# Altium PCB XMS0004.PcbDoc (part 1 of 5) (continued)
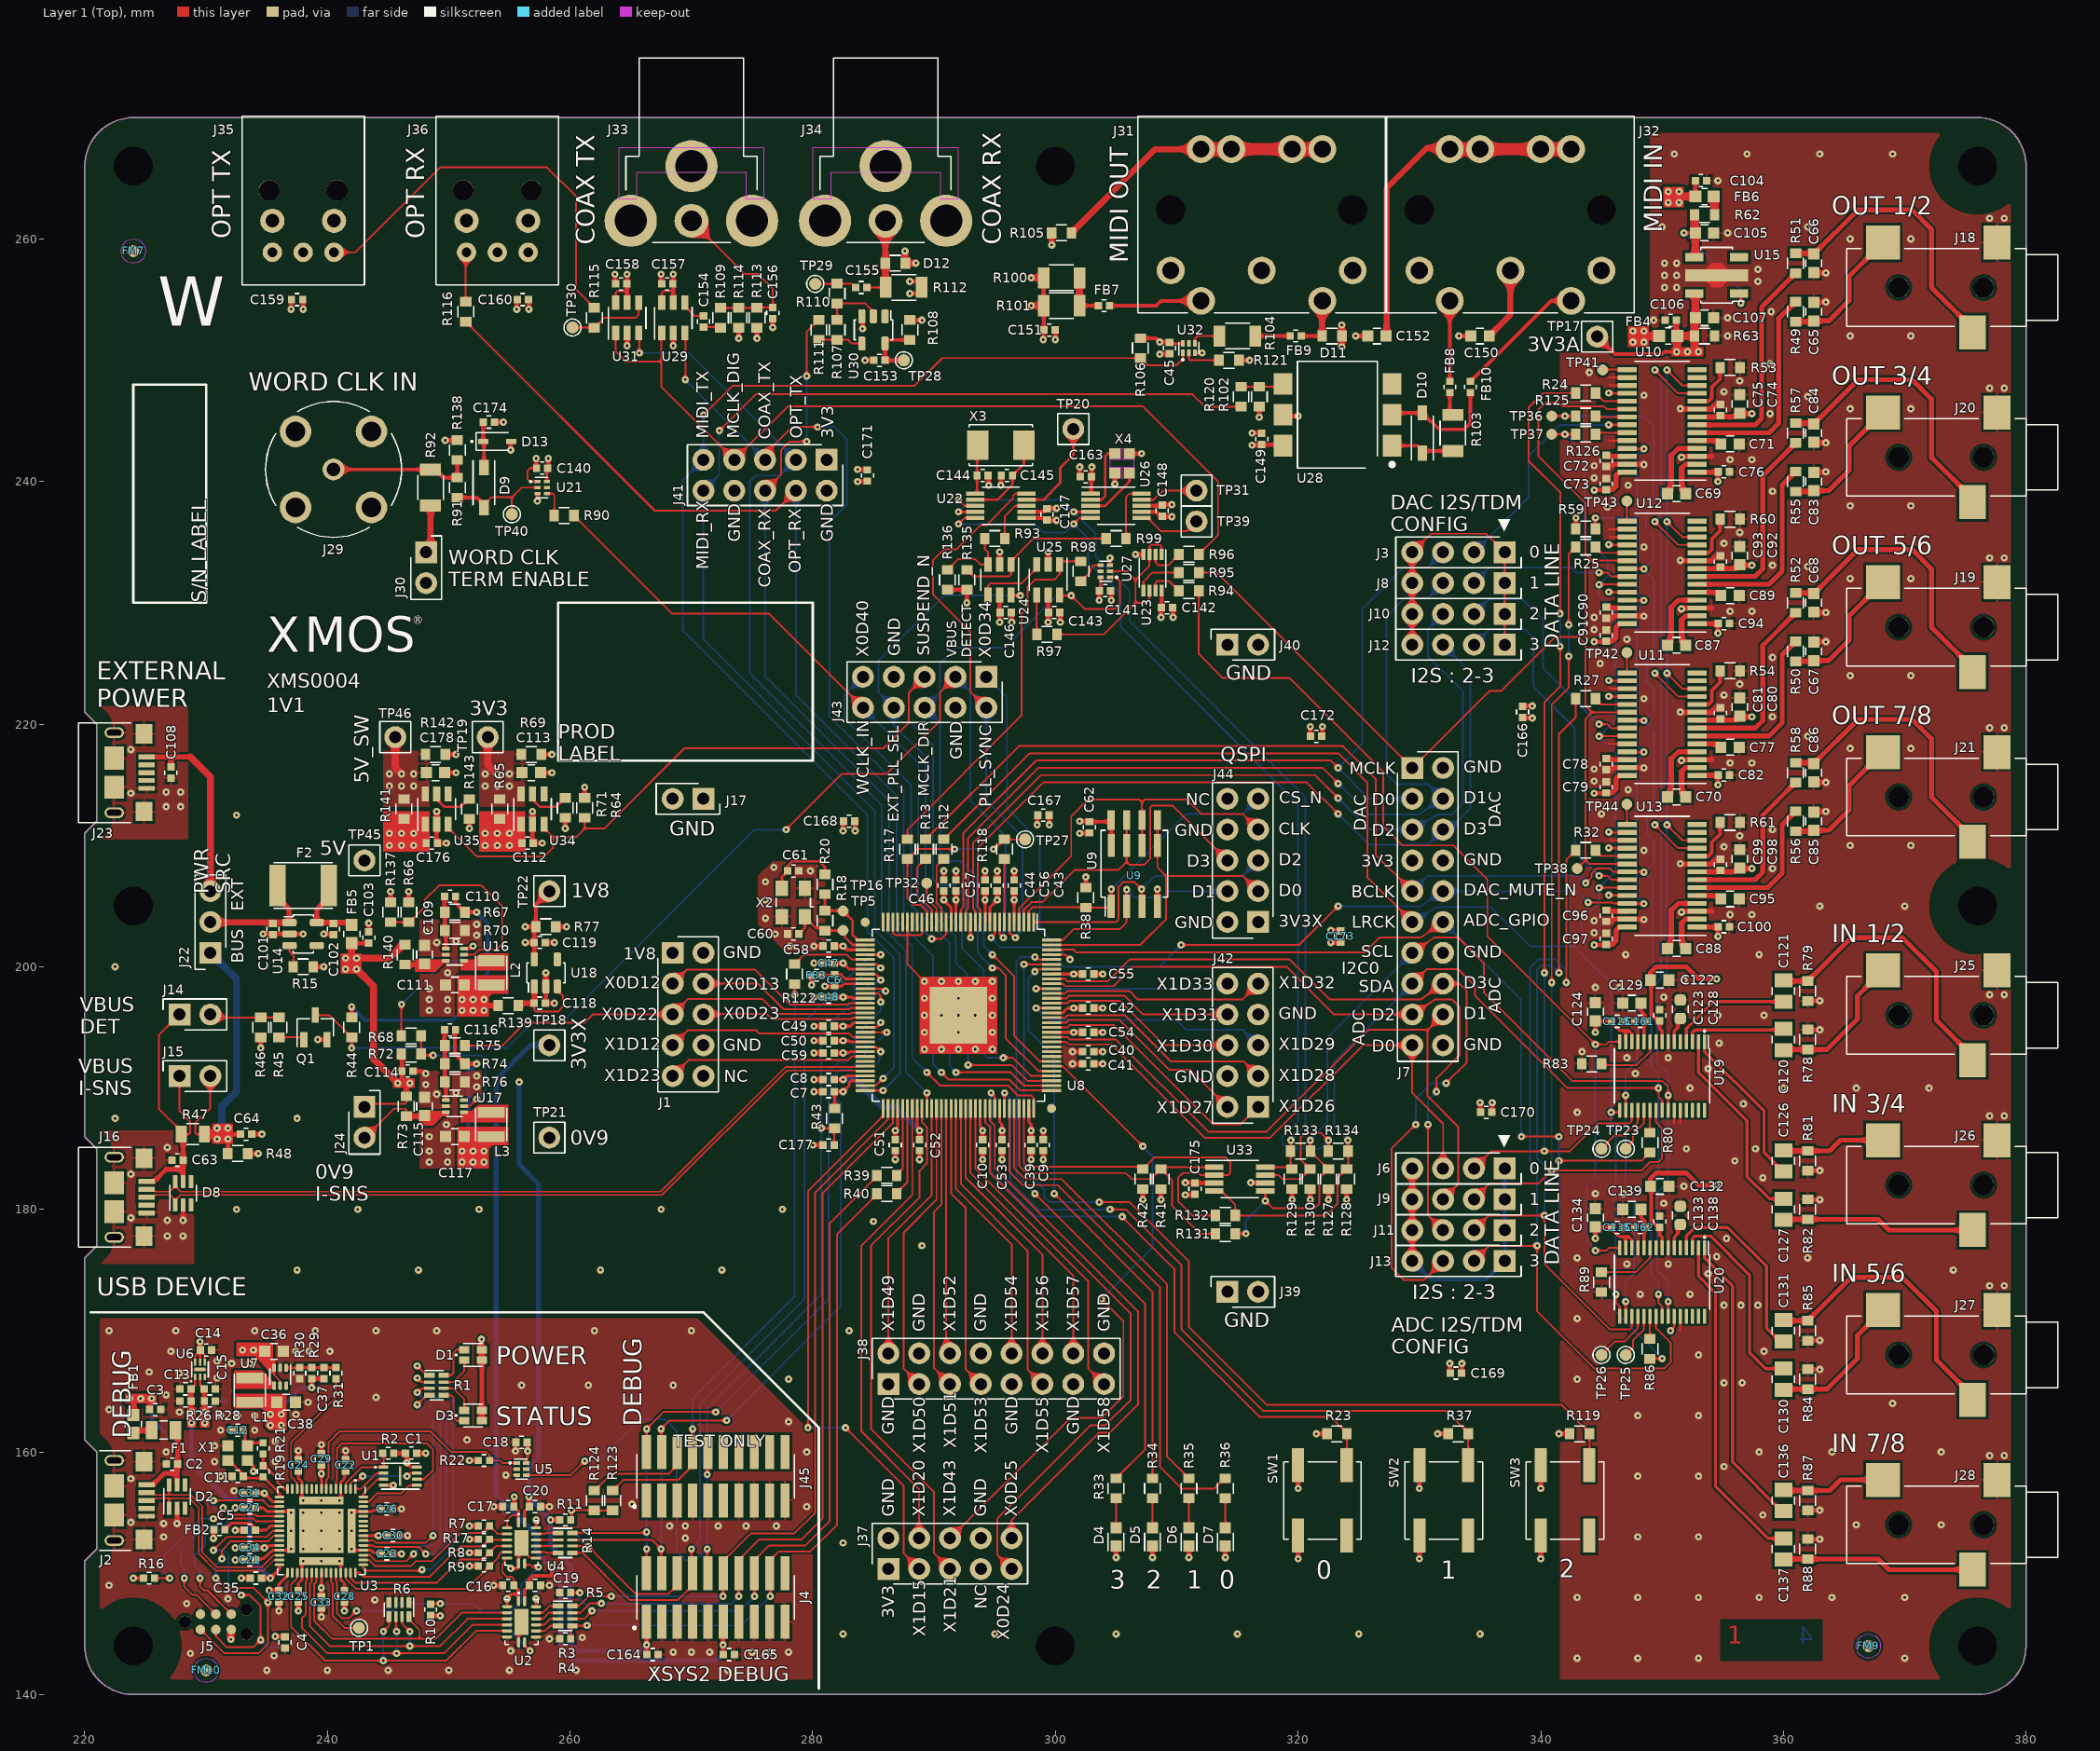
[diagram p0: Layer 1 (Top) view]
## Components (designator, comment, footprint, x,y, rotation, side; value= is the part's Value field where it differs from the comment) (continued)
R10 "4K7" RESC1005X40N 248.5,147 r270 top
R11 "10K" RESC1005X40N 259.6,154.4 r180 top
R12 "33R" RESC1608X55N 290.8,209.7 r90 top
R13 "33R" RESC1608X55N 289.3,209.7 r90 top
R14 "36R" RESCAXS50P200X100X55-8N 259.6,152.5 r270 top
R15 "10K" RESC1608X55N 238,200 r180 top
R16 "10K" RESC1005X40N 225.3,149.6 r180 top
R17 "10K" RESC1005X40N 252.9,152.8 r0 top
R18 "1M" RESC1608X55N 281,203.8 r90 top
R19 "1M" RESC1005X40N 234.7,158.4 r90 top
R20 "680R" RESC1608X55N 281,206.8 r270 top
R21 "680R" RESC1005X40N 234.7,160.3 r270 top
R22 "4K7" RESC1005X40N 252.9,159.3 r180 top
R23 "10K" RESC1608X55N 323.2,161.5 r180 top
R24 "33R" RESC1608X55N 343.7,247.3 r180 top
R25 "33R" RESC1608X55N 343.7,234.6 r180 top
R26 "47K" RESC1005X40N 228.3,164.2 r0 top
R27 "33R" RESC1608X55N 343.7,222.1 r180 top
R28 "47K" RESC1005X40N 230.3,164.2 r180 top
R29 "10K" RESC1005X40N 238.7,166.5 r270 top
R30 "20K" RESC1005X40N 237.7,166.5 r90 top
R31 "150K" RESC1005X40N 240.7,166.5 r90 top
R32 "33R" RESC1608X55N 343.7,209.6 r180 top
R33 "470R" RESC1608X55N 305,157 r90 top
R34 "470R" RESC1608X55N 308,157 r90 top
R35 "470R" RESC1608X55N 311,157 r90 top
R36 "470R" RESC1608X55N 314,157 r90 top
R37 "10K" RESC1608X55N 333.2,161.5 r180 top
R38 "10K" RESC1608X55N 302.5,205.7 r90 top
R39 "33R" RESC1608X55N 286.1,182.8 r180 top
R40 "33R" RESC1608X55N 286.1,181.3 r180 top
R41 "4K7" RESC1608X55N 308.7,182.5 r270 top
R42 "4K7" RESC1608X55N 307.2,182.5 r270 top
R43 "10K" RESC1608X55N 281.8,187.5 r90 top
R44 "47K" RESC1608X55N 242,195 r90 top
R45 "100K" RESC1608X55N 236,195 r270 top
R46 "100K" RESC1608X55N 234.5,195 r90 top
R47 "0R1" RESC2012X60N 228.9,186.2 r0 top
R48 "470K" RESC1608X55N 232.6,184.6 r180 top
R49 "470R" RESC1608X55N 361,254 r270 top
R50 "470R" RESC1608X55N 361,226 r270 top
R51 "470R" RESC1608X55N 361,258 r90 top
R52 "470R" RESC1608X55N 361,230 r90 top
R53 "0R" RESC1608X55N 355.6,249.4 r180 top
R54 "0R" RESC1608X55N 355.6,224.4 r180 top
R55 "470R" RESC1608X55N 361,240 r270 top
R56 "470R" RESC1608X55N 361,212 r270 top
R57 "470R" RESC1608X55N 361,244 r90 top
R58 "470R" RESC1608X55N 361,216 r90 top
R59 "10K" RESC1608X55N 343.7,236.1 r180 top
R60 "0R" RESC1608X55N 355.6,236.9 r180 top
R61 "0R" RESC1608X55N 355.6,211.9 r180 top
R62 "0R5" RESC1608X55N 353.5,262 r180 top
R63 "4K7" RESC1608X55N 353.5,252 r180 top
R64 "100K" RESC1608X55N 261.2,213.1 r270 top
R65 "0R" RESC1608X55N 254.2,213 r90 top
R66 "20K" RESC1608X55N 246.7,204.5 r90 top
R67 "68K" RESC1608X55N 250.5,204.5 r0 top
R68 "0R" RESC1608X55N 246.9,194.3 r180 top
R69 "10K" RESC1608X55N 256.8,217.5 r180 top
R70 "15K" RESC1608X55N 250.5,203 r180 top
R71 "68K" RESC1608X55N 259.6,213.1 r90 top
R72 "10K" RESC1608X55N 246.9,192.8 r180 top
R73 "0R1" RESC1608X55N 246.5,188.5 r270 top
R74 "10K" RESC1608X55N 250.5,192 r0 top
R75 "240K" RESC1608X55N 250.5,193.5 r180 top
R76 "20K" RESC1608X55N 250.5,190.5 r180 top
R77 "220K" RESC1608X55N 258,203.3 r180 top
R78 "47K" RESC1608X55N 362,194 r270 top
R79 "47K" RESC1608X55N 362,198 r90 top
R80 "33R" RESC1608X55N 349,185.5 r90 top
R81 "47K" RESC1608X55N 362,184 r90 top
R82 "47K" RESC1608X55N 362,180 r270 top
R83 "0R" RESC1608X55N 344.2,192 r180 top
R84 "47K" RESC1608X55N 362,166 r270 top
R85 "47K" RESC1608X55N 362,170 r90 top
R86 "33R" RESC1608X55N 349,168.5 r90 top
R87 "47K" RESC1608X55N 362,156 r90 top
R88 "47K" RESC1608X55N 362,152 r270 top
R89 "0R" RESC1608X55N 345,174 r270 top
R90 "33R" RESC1608X55N 259.5,237.2 r0 top
R91 "1K" RESC1608X55N 250.7,239.5 r270 top
R92 "75R" RESC3116X65N 248.5,239.5 r90 top
R93 "33R" RESC1608X55N 295,235.3 r180 top
R94 "33R" RESC1608X55N 311,231 r0 top
R95 "33R" RESC1608X55N 311,232.5 r0 top
R96 "33R" RESC1608X55N 311,234 r0 top
R97 "33R" RESC1608X55N 299.3,227.4 r0 top
R98 "33R" RESC1608X55N 302.1,232.6 r90 top
R99 "33R" RESC1608X55N 305,235.3 r180 top
R100 "68R" RESC3116X65N 300.5,256.8 r180 top
R101 "68R" RESC3116X65N 300.5,254.5 r180 top
R102 "470R" RESC1608X55N 316.8,247 r270 top
R103 "220R" RESC3116X65N 332.75,244 r270 top
R104 "10R" RESC3116X65N 315,252 r0 top
R105 "0R" RESC1608X55N 300.5,260.5 r0 top
R106 "10K" RESC1608X55N 307,251 r90 top
R107 "100K" RESC1608X55N 282,252.5 r270 top
R108 "68R" RESC1608X55N 288,252.5 r270 top
R109 "220R" RESC1608X55N 272.4,253.5 r90 top
R110 "220R" RESC1608X55N 282,255.5 r270 top
R111 "100R" RESC1608X55N 280.5,252.5 r90 top
R112 "75R" RESC3116X65N 287.5,256 r180 top
R113 "220R" RESC1608X55N 275.4,253.5 r90 top
R114 "220R" RESC1608X55N 273.9,253.5 r90 top
R115 "33R" RESC1608X55N 262,253.5 r90 top
R116 "0R" RESC1608X55N 251.4,254 r270 top
R117 "33R" RESC1608X55N 287.8,209.7 r90 top
R118 "0R" RESC1608X55N 295.8,209.7 r270 top
R119 "10K" RESC1608X55N 343.2,161.5 r180 top
R120 "0R" RESC1608X55N 315.3,247 r270 top
R121 "10K" RESC1608X55N 314.3,250 r180 top
R122 "33R" RESC1608X55N 278.5,199.4 r90 top
R123 "0R" RESC1608X55N 263.5,156 r270 top
R124 "0R" RESC1608X55N 262,156 r90 top
R125 "33R" RESC1608X55N 343.7,245.4 r0 top
R126 "33R" RESC1608X55N 343.7,243.9 r0 top
R127 "4K7" RESC1608X55N 322.5,182.5 r270 top
R128 "4K7" RESC1608X55N 324,182.5 r270 top
R129 "4K7" RESC1608X55N 319.5,182.5 r270 top
R130 "4K7" RESC1608X55N 321,182.5 r270 top
R131 "0R" RESC1608X55N 314,178 r180 top
R132 "0R" RESC1608X55N 314,179.5 r180 top
R133 "0R" RESC1608X55N 320.2,184.8 r0 top
R134 "0R" RESC1608X55N 323.3,184.8 r0 top
R135 "10K" RESC1608X55N 292.7,231.9 r90 top
R136 "10K" RESC1608X55N 291.1,231.9 r90 top
R137 "220K" RESC1608X55N 245.2,204.5 r270 top
R138 "10K" RESC1608X55N 250.7,242.6 r270 top
R139 "0R" RESC1608X55N 254.9,196.8 r0 top
R140 "0R" RESC1608X55N 246.4,201 r90 top
R141 "0R" RESC1608X55N 246.3,213 r90 top
R142 "10K" RESC1608X55N 248.9,217.5 r180 top
R143 "68K" RESC1608X55N 251.7,213 r90 top
SW1 "KSC421J" SW_CK_KSC4_JBEND 322,156 r270 top
SW2 "KSC421J" SW_CK_KSC4_JBEND 332,156 r270 top
SW3 "KSC421J" SW_CK_KSC4_JBEND 342,156 r270 top
TP1 "TESTPOINT" TESTPOINT_SMD_1MM 242.6,145.5 r90 top
TP2 "TESTPOINT" TESTPOINT_SMD_0.9MM_L 285.4,192.1 r180 bottom
TP3 "TESTPOINT" TESTPOINT_SMD_1.2MM 236.7,148.96 r90 bottom
TP4 "TESTPOINT" TESTPOINT_SMD_1.2MM 236.7,143.88 r90 bottom
TP5 "TESTPOINT" TESTPOINT_SMD_0.9MM_L 282.5,203 r0 top
TP6 "TESTPOINT" TESTPOINT_SMD_1.2MM 229.08,156.58 r90 bottom
TP7 "TESTPOINT" TESTPOINT_SMD_1.2MM 229.08,151.5 r90 bottom
TP8 "TESTPOINT" TESTPOINT_SMD_1.2MM 226.54,151.5 r90 bottom
TP9 "TESTPOINT" TESTPOINT_SMD_1.2MM 229.08,159.12 r90 bottom
TP10 "TESTPOINT" TESTPOINT_SMD_1.2MM 226.54,161.66 r90 bottom
TP11 "TESTPOINT" TESTPOINT_SMD_1.2MM 231.62,164.2 r90 bottom
TP12 "TESTPOINT" TESTPOINT_SMD_1.2MM 234.16,164.2 r90 bottom
TP13 "TESTPOINT" TESTPOINT_SMD_1.2MM 224,161.66 r90 bottom
TP14 "TESTPOINT" TESTPOINT_SMD_1.2MM 251.94,143.88 r90 bottom
TP15 "TESTPOINT" TESTPOINT_SMD_1.2MM 239.24,143.88 r90 bottom
TP16 "TESTPOINT" TESTPOINT_SMD_0.9MM_L 282.5,204.6 r0 top
TP17 "TESTPOINT" TESTPOINT_THRU 344.65,251.95 r270 top
TP18 "TESTPOINT" TESTPOINT_THRU 258.29,193.53 r0 top
TP19 "TESTPOINT" TESTPOINT_THRU 253.21,218.93 r0 top
TP20 "TESTPOINT" TESTPOINT_THRU 301.47,244.33 r0 top
TP21 "TESTPOINT" TESTPOINT_THRU 258.29,185.91 r0 top
TP22 "TESTPOINT" TESTPOINT_THRU 258.29,206.23 r90 top
TP23 "TESTPOINT" TESTPOINT_SMD_1MM 347,185 r0 top
TP24 "TESTPOINT" TESTPOINT_SMD_1MM 345,185 r0 top
TP25 "TESTPOINT" TESTPOINT_SMD_1MM 347,168 r0 top
TP26 "TESTPOINT" TESTPOINT_SMD_1MM 345,168 r0 top
TP27 "TESTPOINT" TESTPOINT_SMD_1MM 297.5,210.5 r0 top
TP28 "TESTPOINT" TESTPOINT_SMD_1MM 287.5,250 r0 top
TP29 "TESTPOINT" TESTPOINT_SMD_1MM 280.2,256.3 r0 top
TP30 "TESTPOINT" TESTPOINT_SMD_1MM 260.2,252.7 r0 top
TP31 "TESTPOINT" TESTPOINT_THRU 311.63,239.25 r0 top
TP32 "TESTPOINT" TESTPOINT_SMD_0.9MM_L 289.4,206.9 r0 top
TP33 "TESTPOINT" TESTPOINT_SMD_0.9MM_L 284.5,198.4 r90 bottom
TP34 "TESTPOINT" TESTPOINT_SMD_0.9MM_L 285.4,194 r0 bottom
TP35 "TESTPOINT" TESTPOINT_SMD_0.9MM_L 284.5,197 r90 bottom
TP36 "TESTPOINT" TESTPOINT_SMD_0.9MM_L 340.9,245.4 r0 top
TP37 "TESTPOINT" TESTPOINT_SMD_0.9MM_L 340.9,243.9 r0 top
TP38 "TESTPOINT" TESTPOINT_SMD_0.9MM_L 343,208.1 r0 top
TP39 "TESTPOINT" TESTPOINT_THRU 311.63,236.71 r0 top
TP40 "TESTPOINT" TESTPOINT_SMD_1MM 255.2,237.3 r0 top
TP41 "TESTPOINT" TESTPOINT_SMD_0.9MM_L 345.1,249.2 r0 top
TP42 "TESTPOINT" TESTPOINT_SMD_0.9MM_L 347.1,225.9 r0 top
TP43 "TESTPOINT" TESTPOINT_SMD_0.9MM_L 347.1,238.4 r0 top
TP44 "TESTPOINT" TESTPOINT_SMD_0.9MM_L 347.1,213.4 r90 top
TP45 "TESTPOINT" TESTPOINT_THRU 243.05,208.77 r0 top
TP46 "TESTPOINT" TESTPOINT_THRU 245.59,218.93 r0 top
U1 "W25Q80EW" SON9P50_200X300X60L45X25T160X20N 246,158 r270 top
U2 "FXL4TD245" IC_NXP_DHVQFN16 256,146 r270 top
U3 "XU316-1024-QF60A-C24" IC_XMOS_PX_QFN60A_NEWPADDLE 239.5,153.5 r180 top
U4 "FXL4TD245" IC_NXP_DHVQFN16 256,152.5 r270 top
U5 "SN74LVC1G125" TI_R_PUSON_N6 256,158.6 r270 top
U6 "TLV7163318P" TI_S_PX2SON_N6 229.5,166.8 r0 top
U7 "AP61102" ICSOFL6P50_160X160X60L30X21N 236.1,166.2 r180 top
U8 "XU316-1024-TQ128-C24" QFP40P1600X1600X120-129_T480N 292,196 r180 top locked
U9 "W25Q32JVSSIQ" SOIC127P790X220-8N 306.5,208.5 r0 top
U9 "W25Q32JVSNIM" SOIC127P600X175-8N 306.5,207.5 r0 top
U10 "PCM5122" SOP65P640X120-28N 350,245 r90 top
U11 "PCM5122" SOP65P640X120-28N 350,220 r90 top
U12 "PCM5122" SOP65P640X120-28N 350,232.5 r90 top
U13 "PCM5122" SOP65P640X120-28N 350,207.5 r90 top
U14 "NCP360" SOT23-5P95_275X110L40X37N 238,202.7 r270 top
U15 "XC6227C331" TOREX_SOT_89_5 354.5,257 r90 top
U16 "AP61102" ICSOFL6P50_160X160X60L30X21N 250.5,201 r270 top
U17 "AP61102" ICSOFL6P50_160X160X60L30X21N 250.5,188.5 r270 top
U18 "TCR2LF18" SOT23-5P95_275X110L40X37N 258,199.5 r0 top
U19 "PCM1865" SOP30P50_780X640X120L62X20N 350,191 r180 top
U20 "PCM1865" SOP30P50_780X640X120L62X20N 350,174 r180 top
U21 "SN74LVC1G125" TI_R_PUSON_N6 257.7,239.5 r270 top
U22 "CS2100-CP" SOP50P490X110-10N 295.5,238 r90 top
U23 "NC7NZ34" SOP50P310X100-8N 308,232.5 r180 top
U24 "74LVC1G157" SOT95P280X145-6N 295.4,231.9 r180 top
U25 "74LVC1G157" SOT95P280X145-6N 299.4,231.9 r180 top
U26 "SI5351A-B-GT" SOP50P490X110-10N 305,238 r270 top
U27 "SN74LVC1G125" TI_R_PUSON_N6 304.1,232.6 r90 top
U28 "H11L1M" IC_ONSEMI_PDIP6_646BY 323.25,245.5 r90 top
U29 "74LVC1G175" SOT95P280X145-6N 268.5,253.5 r0 top
U30 "74LVC1GU04" SOT23-5P95_275X110L40X37N 285,252.5 r180 top
U31 "74LVC1G175" SOT95P280X145-6N 264.7,253.5 r0 top
U32 "SN74LVC1G125" TI_R_PUSON_N6 311,251 r0 top
U33 "PCA9540B" SOP65P490X110-8N 315.2,182.5 r270 top
U34 "AP22653" SOT95P280X145-6N 256.9,213 r0 top
U35 "AP22653" SOT95P280X145-6N 249,213 r0 top
X1 "XRCGB" OSCCC200X160X70N#1 232.6,159.9 r0 top
X2 "FA-238" OSCCC320X250X120N 278.4,205.3 r90 top
X3 "445" XTAL_CTS_445 295.5,243 r0 top
X4 "XRCGB" OSCCC200X160X70N#2 305.5,241.5 r270 top

## Footprints (in the part's own frame and the unit in brackets; to place one, negate y for a bottom-side part, rotate by r counter-clockwise, add the part's x,y. Pads: shape width x height; smd on the part's side, far side on the other; paste and mask are expansions set on the pad)
CAPC1005X55N#1 [mm]
  rect 0.61x0.63 smd: 1(-0.46,0) 2(0.46,0)
  silkscreen extent -0.16,-0.5 0.16,0.5, body extent -0.5,-0.25 0.5,0.25, height 0.55
CAPC1005X55N#2 [mm]
  rrect50% 0.61x0.63 smd: 1(-0.46,0) 2(0.46,0)
  silkscreen extent -0.16,-0.5 0.16,0.5, body extent -0.5,-0.25 0.5,0.25, height 0.55
CAPC1608X90N#1 [mm]
  rect 0.92x0.93 smd: 1(-0.755,0) 2(0.755,0)
  silkscreen extent -0.3,-0.65 0.3,0.65, body extent -0.8,-0.4 0.8,0.4, height 0.9
CAPC1608X90N#2 [mm]
  rrect50% 0.92x0.93 smd: 1(-0.755,0) 2(0.755,0)
  silkscreen extent -0.3,-0.65 0.3,0.65, body extent -0.8,-0.4 0.8,0.4, height 0.9
CAPC2012X145N [mm]
  rect 1.16x1.47 smd: 1(-0.875,0) 2(0.875,0)
  silkscreen extent -0.3,-0.92 0.3,0.92, body extent -1,-0.63 1,0.63, height 1.45
CON_CUI_RCJ_017 [mm]
  round 2.8 hole 1.7: 1(0,0)
  round 4.3 hole 2.65: 2(-5,0) 2(0,-4.5) 2(5,0)
  Layer 1 (Top) keep-out region: -6,-6 6,-6 6,-1.8 4.5,-1.8 4.5,-4 -4.5,-4 -4.5,-1.8 -6,-1.8
  silkscreen extent -5.4,-13.4 5.4,1.8, body extent -5.8,-13.25 5.8,1.25, height 12.2
CON_CUI_SJ3523 [mm]
  rect 2.8x2.2 smd: 1(3.7,-1.1) 3(-3.7,0.9)
  rect 2.8x2.8 smd: 2(3.7,8.3)
  round 1.7 hole 1.7 unplated: MTG(0,7) MTG(0,0)
  silkscreen extent -3.2,-6.1 3.2,11.3, body extent -4.5,-6 4.5,11, height 5.11
CON_FCI_10118193 [mm]
  rect 0.4x1.35 smd: 1(0,0) 2(0.65,0) 3(1.3,0) 4(1.95,0) 5(2.6,0)
  rect 1.6x1.4 smd: S1(-1.9,-0.225) S2(4.5,-0.225)
  rrect100% 0.9x1.6 hole 0.5 slot 1.2 at 90 deg: S3(-2,-2.675) S4(4.6,-2.675)
  rect 1.9x1.6 smd: S5(0.1,-2.675) S6(2.5,-2.675)
  silkscreen extent -2.8,-3.9 5.4,-1.3, body extent -2.63,-5.44 5.23,0.22, height 2.83
CON_OPT_AIXIN_DLX1160 [mm]
  round 1.7 hole 1.7 unplated: 0(-2.8,5.1) 0(2.8,5.1)
  round 2 hole 1.1: 0(-2.54,2.6) 0(2.54,2.6)
  round 1.6 hole 0.8: 1(-2.54,0) 2(0,0) 3(2.54,0)
  silkscreen extent -5.05,-2.7 5.05,11.2, body extent -4.85,-2.5 4.85,11, height 10.05
CON_SAMTEC_FTSH_110_01_X_DV_K [mm]
  rect 0.75x2.8 smd: 1(-5.715,-2) 2(-5.715,2) 3(-4.445,-2) 4(-4.445,2) 5(-3.175,-2) 6(-3.175,2) 7(-1.905,-2) 8(-1.905,2) 9(-0.635,-2) 10(-0.635,2) 11(0.635,-2) 12(0.635,2) 13(1.905,-2) 14(1.905,2) 15(3.175,-2) 16(3.175,2) 17(4.445,-2) 18(4.445,2) 19(5.715,-2) 20(5.715,2)
  silkscreen extent -6.8,-2.6 6.5,1.8, body extent -6.35,-2.92 6.35,2.92, height 6.16
CON_TAG_CONNECT_6_NOLEG [mm]
  round 1 hole 1 unplated: 0(-2.54,0) 0(2.54,-1.016) 0(2.54,1.016)
  round 0.8 smd paste-0.4: 1(-1.27,-0.635) 2(-1.27,0.635) 3(0,-0.635) 4(0,0.635) 5(1.27,-0.635) 6(1.27,0.635)
  body extent -4.78,-2.98 4.72,2.92, height 28
CON_TE_5_1634503 [mm]
  round 1.8 hole 1.1: 1(0,0)
  round 2.6 hole 1.6: 2(-3.13,3.13) 2(-3.13,-3.13) 2(3.13,3.13) 2(3.13,-3.13)
  silkscreen extent -5.6,-5.6 5.6,5.6, body extent -5.5,-5.51 5.5,5.51, height 14
DIN_5PIN_180_RA [mm]
  round 0 hole 2.4 unplated: 0(-7.5,-5) 0(7.5,-5)
  round 2.3 hole 1.4: 1(7.5,0) 2(0,0) 3(-7.5,0) 4(5,2.5) 5(-5,2.5) SH(-5,-10) SH(-2.5,-10) SH(2.5,-10) SH(5,-10)
  Layer 4 (Bottom) keep-out region: 10.012,-5 9.964,-4.51 9.821,-4.039 9.589,-3.604 9.276,-3.224 8.896,-2.911 8.461,-2.679 7.99,-2.536 7.5,-2.488 7.5,-2.488 7.01,-2.536 6.539,-2.679 6.104,-2.911 5.724,-3.224 5.411,-3.604 5.179,-4.039 5.036,-4.51 4.988,-5 4.988,-5 5.036,-5.49 5.179,-5.961 5.411,-6.396 5.724,-6.776 6.104,-7.089 6.539,-7.321 7.01,-7.464 7.5,-7.512 7.5,-7.512 7.99,-7.464 8.461,-7.321 8.896,-7.089 9.276,-6.776 9.589,-6.396 9.821,-5.961 9.964,-5.49 10.012,-5
  Layer 4 (Bottom) keep-out region: -4.988,-5 -5.036,-4.51 -5.179,-4.039 -5.411,-3.604 -5.724,-3.224 -6.104,-2.911 -6.539,-2.679 -7.01,-2.536 -7.5,-2.488 -7.5,-2.488 -7.99,-2.536 -8.461,-2.679 -8.896,-2.911 -9.276,-3.224 -9.589,-3.604 -9.821,-4.039 -9.964,-4.51 -10.012,-5 -10.012,-5 -9.964,-5.49 -9.821,-5.961 -9.589,-6.396 -9.276,-6.776 -8.896,-7.089 -8.461,-7.321 -7.99,-7.464 -7.5,-7.512 -7.5,-7.512 -7.01,-7.464 -6.539,-7.321 -6.104,-7.089 -5.724,-6.776 -5.411,-6.396 -5.179,-5.961 -5.036,-5.49 -4.988,-5
  silkscreen extent -10.2,-12.7 10.2,3.5, body extent -10,-12.5 10,3.3, height 21.2
FIDUCIAL_10_20 [mm]
  round 1 smd paste-1 mask+0.5: 1(0,0)
  Layer 1 (Top) keep-out region: 0,-1 -0.383,-0.924 -0.707,-0.707 -0.924,-0.383 -1,0 -1,0 -0.924,0.383 -0.707,0.707 -0.383,0.924 0,1 0,1 0.383,0.924 0.707,0.707 0.924,0.383 1,0 1,0 0.924,-0.383 0.707,-0.707 0.383,-0.924 0,-1
FUSC215X135X75L40N [mm]
  rect 0.95x1.52 smd: 1(-0.985,0) 2(0.985,0)
  silkscreen extent -0.33,-0.75 0.33,0.75, body extent -1.07,-0.67 1.08,0.68, height 0.75
FUSC4632X150N [mm]
  rect 1.35x3.43 smd: 1(-2.1,0) 2(2.1,0)
  silkscreen extent -2.42,-1.9 2.42,1.9, body extent -2.3,-1.63 2.3,1.63, height 1.2
HDR_FCI_67997_116 [mm]
  rect 1.8x1.8 / inner round 1.8 / far side rect 1.8x1.8 hole 1: 1(0,0)
  round 1.8 hole 1: 2(0,2.54) 3(2.54,0) 4(2.54,2.54) 5(5.08,0) 6(5.08,2.54) 7(7.62,0) 8(7.62,2.54) 9(10.16,0) 10(10.16,2.54) 11(12.7,0) 12(12.7,2.54) 13(15.24,0) 14(15.24,2.54) 15(17.78,0) 16(17.78,2.54)
  silkscreen extent -1.33,-1.23 19.11,3.77, body extent -1.28,-1.15 19.07,3.69, height 8.38
HDR_FCI_67997_220 [mm]
  rect 1.8x1.8 / inner round 1.8 / far side rect 1.8x1.8 hole 1: 1(0,0)
  round 1.8 hole 1: 2(0,2.54) 3(2.54,0) 4(2.54,2.54) 5(5.08,0) 6(5.08,2.54) 7(7.62,0) 8(7.62,2.54) 9(10.16,0) 10(10.16,2.54) 11(12.7,0) 12(12.7,2.54) 13(15.24,0) 14(15.24,2.54) 15(17.78,0) 16(17.78,2.54) 17(20.32,0) 18(20.32,2.54) 19(22.86,0) 20(22.86,2.54)
  silkscreen extent -1.33,-1.23 24.19,3.77, body extent -1.28,-1.15 24.15,3.69, height 8.38
HDR_FCI_67997_X10 [mm]
  rect 1.8x1.8 / inner round 1.8 / far side rect 1.8x1.8 hole 1: 1(0,0)
  round 1.8 hole 1: 2(0,2.54) 3(2.54,0) 4(2.54,2.54) 5(5.08,0) 6(5.08,2.54) 7(7.62,0) 8(7.62,2.54) 9(10.16,0) 10(10.16,2.54)
  silkscreen extent -1.33,-1.23 11.48,3.77, body extent -1.28,-1.15 11.4,3.69, height 8.38
HDR_FCI_68001_202 [mm]
  rect 1.8x1.8 / inner round 1.8 / far side rect 1.8x1.8 hole 1: 1(0,0)
  round 1.8 hole 1: 2(2.54,0)
  silkscreen extent -1.36,-1.28 3.9,1.28, body extent -1.28,-1.2 3.82,1.2, height 8.38
HDR_FCI_68001_203 [mm]
  rect 1.8x1.8 / inner round 1.8 / far side rect 1.8x1.8 hole 1: 1(0,0)
  round 1.8 hole 1: 2(2.54,0) 3(5.08,0)
  silkscreen extent -1.36,-1.28 6.44,1.28, body extent -1.28,-1.2 6.35,1.2, height 8.38
HDR_FCI_68001_204 [mm]
  rect 1.8x1.8 / inner round 1.8 / far side rect 1.8x1.8 hole 1: 1(0,0)
  round 1.8 hole 1: 2(2.54,0) 3(5.08,0) 4(7.62,0)
  silkscreen extent -1.36,-1.28 8.98,1.28, body extent -1.28,-1.2 8.89,1.2, height 8.38
IC_NXP_DHVQFN16 [mm]
  oval 0.84x0.26 smd: 1(-1.695,-0.25) 8(1.695,-0.25) 9(1.695,0.25) 16(-1.695,0.25)
  oval 0.26x0.84 smd: 2(-1.25,-1.195) 3(-0.75,-1.195) 4(-0.25,-1.195) 5(0.25,-1.195) 6(0.75,-1.195) 7(1.25,-1.195) 10(1.25,1.195) 11(0.75,1.195) 12(0.25,1.195) 13(-0.25,1.195) 14(-0.75,1.195) 15(-1.25,1.195)
  rect 2.15x1.15 smd paste-2: 17(0,0)
  silkscreen extent -2.41,-1.36 1.86,1.36, body extent -1.75,-1.25 1.75,1.25, height 1.06
IC_ONSEMI_PDIP6_646BY [mm]
  rect 1.78x1.52 smd: 1(-2.54,-4.5) 2(0,-4.5) 3(2.54,-4.5) 4(2.54,4.5) 5(0,4.5) 6(-2.54,4.5)
  silkscreen extent -4.4,-4.65 4.4,3.3, body extent -4.25,-3.18 4.25,3.18, height 4.8
IC_XMOS_PX_QFN60A_NEWPADDLE [mm]
  oval 0.23x0.81 smd mask+0.04: 1(-2.8,-3.455) 2(-2.4,-3.455) 3(-2,-3.455) 4(-1.6,-3.455) 5(-1.2,-3.455) 6(-0.8,-3.455) 7(-0.4,-3.455) 8(0,-3.455) 9(0.4,-3.455) 10(0.8,-3.455) 11(1.2,-3.455) 12(1.6,-3.455) 13(2,-3.455) 14(2.4,-3.455) 15(2.8,-3.455) 31(2.8,3.455) 32(2.4,3.455) 33(2,3.455) 34(1.6,3.455) 35(1.2,3.455) 36(0.8,3.455) 37(0.4,3.455) 38(0,3.455) 39(-0.4,3.455) 40(-0.8,3.455) 41(-1.2,3.455) 42(-1.6,3.455) 43(-2,3.455) 44(-2.4,3.455) 45(-2.8,3.455)
  oval 0.81x0.23 smd mask+0.04: 16(3.455,-2.8) 17(3.455,-2.4) 18(3.455,-2) 19(3.455,-1.6) 20(3.455,-1.2) 21(3.455,-0.8) 22(3.455,-0.4) 23(3.455,0) 24(3.455,0.4) 25(3.455,0.8) 26(3.455,1.2) 27(3.455,1.6) 28(3.455,2) 29(3.455,2.4) 30(3.455,2.8) 46(-3.455,2.8) 47(-3.455,2.4) 48(-3.455,2) 49(-3.455,1.6) 50(-3.455,1.2) 51(-3.455,0.8) 52(-3.455,0.4) 53(-3.455,0) 54(-3.455,-0.4) 55(-3.455,-0.8) 56(-3.455,-1.2) 57(-3.455,-1.6) 58(-3.455,-2) 59(-3.455,-2.4) 60(-3.455,-2.8)
  rect 3.65x0.65 smd paste-0.4 mask-0.35: 61(0,-2.5) 63(0,2.5)
  rect 0.65x3.65 smd paste-0.4 mask-0.35: 62(2.5,0) 64(-2.5,0)
  rect 3.65x3.65 smd paste-1.9 mask-1.9: 65(0,0)
  Layer 1 (Top) region: -1.725,0.325 -1.5,0.325 -1.368,0.297 -1.258,0.217 -1.191,0.1 -1.191,0.1 -0.309,0.1 -0.23,0.23 -0.1,0.309 -0.1,0.309 -0.1,1.191 -0.217,1.258 -0.297,1.368 -0.325,1.5 -0.325,1.5 -0.325,1.725 -1.175,1.725 -1.175,1.5 -1.2,1.376 -1.27,1.27 -1.376,1.2 -1.5,1.175 -1.5,1.175 -1.725,1.175
  Layer 1 (Top) region: -0.325,-1.725 -0.325,-1.5 -0.297,-1.368 -0.217,-1.258 -0.1,-1.191 -0.1,-1.191 -0.1,-0.309 -0.23,-0.23 -0.309,-0.1 -0.309,-0.1 -1.191,-0.1 -1.258,-0.217 -1.368,-0.297 -1.5,-0.325 -1.5,-0.325 -1.725,-0.325 -1.725,-1.175 -1.5,-1.175 -1.376,-1.2 -1.27,-1.27 -1.2,-1.376 -1.175,-1.5 -1.175,-1.5 -1.175,-1.725
  Layer 1 (Top) region: 1.725,-0.325 1.5,-0.325 1.368,-0.297 1.258,-0.217 1.191,-0.1 1.191,-0.1 0.309,-0.1 0.23,-0.23 0.1,-0.309 0.1,-0.309 0.1,-1.191 0.217,-1.258 0.297,-1.368 0.325,-1.5 0.325,-1.5 0.325,-1.725 1.175,-1.725 1.175,-1.5 1.2,-1.376 1.27,-1.27 1.376,-1.2 1.5,-1.175 1.5,-1.175 1.725,-1.175
  Layer 1 (Top) region: 0.325,1.725 0.325,1.5 0.297,1.368 0.217,1.258 0.1,1.191 0.1,1.191 0.1,0.309 0.23,0.23 0.309,0.1 0.309,0.1 1.191,0.1 1.258,0.217 1.368,0.297 1.5,0.325 1.5,0.325 1.725,0.325 1.725,1.175 1.5,1.175 1.376,1.2 1.27,1.27 1.2,1.376 1.175,1.5 1.175,1.5 1.175,1.725
  silkscreen extent -3.61,-4.21 3.61,3.61, body extent -3.5,-3.5 3.5,3.5, height 0.91
ICSOFL6P50_160X160X60L30X21N [mm]
  rrect52% 0.31x0.66 smd: 1(-0.5,-0.735) 2(0,-0.735) 3(0.5,-0.735) 4(0.5,0.735) 5(0,0.735) 6(-0.5,0.735)
  silkscreen extent -0.85,-1.02 0.85,0.65, body extent -0.8,-0.8 0.8,0.8, height 0.6
INDC1005X55N [mm]
  rect 0.59x0.6 smd: 1(-0.455,0) 2(0.455,0)
  silkscreen extent -0.16,-0.48 0.16,0.48, body extent -0.5,-0.25 0.5,0.25, height 0.55
INDC1608X95N [mm]
  rect 1x0.97 smd: 1(-0.735,0) 2(0.735,0)
  silkscreen extent -0.24,-0.67 0.24,0.67, body extent -0.8,-0.4 0.8,0.4, height 0.95
INDC2520X120N [mm]
  rect 0.9x2.2 smd: 1(-1,0) 2(1,0)
  silkscreen extent -1.35,-1.29 1.35,1.29, body extent -1.25,-1 1.25,1, height 1.25
LED_LITEON_LTST_C195KGJRKT [mm]
  rect 0.6x0.85 smd: 1(0.425,0.725) 2(-0.425,0.725) 3(0.425,-0.725) 4(-0.425,-0.725)
  silkscreen extent -0.95,-1.45 0.95,0.8, body extent -0.75,-0.8 0.75,0.8, height 0.61
LEDC1608X85N [mm]
  rect 0.91x0.93 smd: 1(-0.76,0) 2(0.76,0)
  silkscreen extent -1.15,-0.65 0.31,0.65, body extent -0.8,-0.4 0.8,0.4, height 1.2
OSCCC200X160X70N#1 [mm]
  rect 0.91x0.91 smd: 1(-0.805,-0.605) 2(0.805,-0.605) 3(0.805,0.605) 4(-0.805,0.605)
  body extent -1,-0.8 1,0.8, height 0.6
OSCCC200X160X70N#2 [mm]
  rect 0.91x0.91 smd: 1(-0.805,-0.605) 2(0.805,-0.605) 3(0.805,0.605) 4(-0.805,0.605)
  Layer 1 (Top) keep-out region: -1.2,0.1 -1.2,-0.1 -0.3,-0.1 -0.3,-1 0.3,-1 0.3,-0.1 1.2,-0.1 1.2,0.1 0.3,0.1 0.3,1 -0.3,1 -0.3,0.1
  body extent -1,-0.8 1,0.8, height 0.6
OSCCC320X250X120N [mm]
  rect 1.27x1.02 smd: 1(-1.17,-0.945) 2(1.17,-0.945) 3(1.17,0.945) 4(-1.17,0.945)
  silkscreen extent -0.36,-1.65 0.36,1.41, body extent -1.6,-1.25 1.6,1.25, height 1.2
QFP40P1600X1600X120-129_T480N [mm]
  rect 0.24x1.56 smd: 1(-6.2,-7.68) 2(-5.8,-7.68) 3(-5.4,-7.68) 4(-5,-7.68) 5(-4.6,-7.68) 6(-4.2,-7.68) 7(-3.8,-7.68) 8(-3.4,-7.68) 9(-3,-7.68) 10(-2.6,-7.68) 11(-2.2,-7.68) 12(-1.8,-7.68) 13(-1.4,-7.68) 14(-1,-7.68) 15(-0.6,-7.68) 16(-0.2,-7.68) 17(0.2,-7.68) 18(0.6,-7.68) 19(1,-7.68) 20(1.4,-7.68) 21(1.8,-7.68) 22(2.2,-7.68) 23(2.6,-7.68) 24(3,-7.68) 25(3.4,-7.68) 26(3.8,-7.68) 27(4.2,-7.68) 28(4.6,-7.68) 29(5,-7.68) 30(5.4,-7.68) 31(5.8,-7.68) 32(6.2,-7.68) 65(6.2,7.68) 66(5.8,7.68) 67(5.4,7.68) 68(5,7.68) 69(4.6,7.68) 70(4.2,7.68) 71(3.8,7.68) 72(3.4,7.68) 73(3,7.68) 74(2.6,7.68) 75(2.2,7.68) 76(1.8,7.68) 77(1.4,7.68) 78(1,7.68) 79(0.6,7.68) 80(0.2,7.68) 81(-0.2,7.68) 82(-0.6,7.68) 83(-1,7.68) 84(-1.4,7.68) 85(-1.8,7.68) 86(-2.2,7.68) 87(-2.6,7.68) 88(-3,7.68) 89(-3.4,7.68) 90(-3.8,7.68) 91(-4.2,7.68) 92(-4.6,7.68) 93(-5,7.68) 94(-5.4,7.68) 95(-5.8,7.68) 96(-6.2,7.68)
  rect 1.56x0.24 smd: 33(7.68,-6.2) 34(7.68,-5.8) 35(7.68,-5.4) 36(7.68,-5) 37(7.68,-4.6) 38(7.68,-4.2) 39(7.68,-3.8) 40(7.68,-3.4) 41(7.68,-3) 42(7.68,-2.6) 43(7.68,-2.2) 44(7.68,-1.8) 45(7.68,-1.4) 46(7.68,-1) 47(7.68,-0.6) 48(7.68,-0.2) 49(7.68,0.2) 50(7.68,0.6) 51(7.68,1) 52(7.68,1.4) 53(7.68,1.8) 54(7.68,2.2) 55(7.68,2.6) 56(7.68,3) 57(7.68,3.4) 58(7.68,3.8) 59(7.68,4.2) 60(7.68,4.6) 61(7.68,5) 62(7.68,5.4) 63(7.68,5.8) 64(7.68,6.2) 97(-7.68,6.2) 98(-7.68,5.8) 99(-7.68,5.4) 100(-7.68,5) 101(-7.68,4.6) 102(-7.68,4.2) 103(-7.68,3.8) 104(-7.68,3.4) 105(-7.68,3) 106(-7.68,2.6) 107(-7.68,2.2) 108(-7.68,1.8) 109(-7.68,1.4) 110(-7.68,1) 111(-7.68,0.6) 112(-7.68,0.2) 113(-7.68,-0.2) 114(-7.68,-0.6) 115(-7.68,-1) 116(-7.68,-1.4) 117(-7.68,-1.8) 118(-7.68,-2.2) 119(-7.68,-2.6) 120(-7.68,-3) 121(-7.68,-3.4) 122(-7.68,-3.8) 123(-7.68,-4.2) 124(-7.68,-4.6) 125(-7.68,-5) 126(-7.68,-5.4) 127(-7.68,-5.8) 128(-7.68,-6.2)
  rect 4.7x4.7 smd paste-5: 129(0,0)
  round 0.75 smd paste-3 mask+0.375: FID1(7.68,-7.68) FID2(-7.68,7.68)
  Layer 1 (Top) pour cut-out: 8.436,-7.68 8.411,-7.484 8.335,-7.302 8.215,-7.145 8.058,-7.025 7.876,-6.949 7.68,-6.924 7.68,-6.924 7.484,-6.949 7.302,-7.025 7.145,-7.145 7.025,-7.302 6.949,-7.484 6.924,-7.68 6.924,-7.68 6.949,-7.876 7.025,-8.058 7.145,-8.215 7.302,-8.335 7.484,-8.411 7.68,-8.436 7.68,-8.436 7.876,-8.411 8.058,-8.335 8.215,-8.215 8.335,-8.058 8.411,-7.876 8.436,-7.68
  Layer 1 (Top) pour cut-out: -6.924,7.68 -6.949,7.876 -7.025,8.058 -7.145,8.215 -7.302,8.335 -7.484,8.411 -7.68,8.436 -7.68,8.436 -7.876,8.411 -8.058,8.335 -8.215,8.215 -8.335,8.058 -8.411,7.876 -8.436,7.68 -8.436,7.68 -8.411,7.484 -8.335,7.302 -8.215,7.145 -8.058,7.025 -7.876,6.949 -7.68,6.924 -7.68,6.924 -7.484,6.949 -7.302,7.025 -7.145,7.145 -7.025,7.302 -6.949,7.484 -6.924,7.68
  silkscreen extent -7.1,-8.34 7.1,7.1, body extent -8,-8 8,8, height 1.2
RESC1005X40N [mm]
  rect 0.59x0.6 smd: 1(-0.455,0) 2(0.455,0)
  silkscreen extent -0.16,-0.48 0.16,0.48, body extent -0.5,-0.25 0.5,0.25, height 0.4
RESC1608X55N [mm]
  rect 0.79x0.93 smd: 1(-0.82,0) 2(0.82,0)
  silkscreen extent -0.43,-0.65 0.43,0.65, body extent -0.8,-0.4 0.8,0.4, height 0.55
RESC2012X60N [mm]
  rect 0.92x1.38 smd: 1(-0.955,0) 2(0.955,0)
  silkscreen extent -0.5,-0.87 0.5,0.87, body extent -1,-0.63 1,0.63, height 0.6
RESC3116X65N [mm]
  rect 0.97x1.73 smd: 1(-1.48,0) 2(1.48,0)
  silkscreen extent -1,-1.05 1,1.05, body extent -1.55,-0.8 1.55,0.8, height 0.65
RESCAXS50P200X100X55-8N [mm]
  rect 0.41x0.87 smd: 1(-0.825,-0.58) 4(0.825,-0.58) 5(0.825,0.58) 8(-0.825,0.58)
  rect 0.26x0.87 smd: 2(-0.25,-0.58) 3(0.25,-0.58) 6(0.25,0.58) 7(-0.25,0.58)
  silkscreen extent -1.21,-0.95 1.21,0.55, body extent -1.05,-0.55 1.05,0.55, height 0.55
SOD3716X135N [mm]
  rect 1.25x0.79 smd: 1(-1.66,0) 2(1.66,0)
  silkscreen extent -2.23,-0.9 1.43,0.9, body extent -1.85,-0.8 1.85,0.8, height 1.35
SODFL2513X100N [mm]
  rect 0.84x0.44 smd: 1(-1.14,0) 2(1.14,0)
  silkscreen extent -2.17,-0.73 0.9,0.73, body extent -1.25,-0.65 1.25,0.65, height 1.05
SOIC127P600X175-8N [mm]
  rect 0.59x1.91 smd: 1(-1.905,-2.505) 2(-0.635,-2.505) 3(0.635,-2.505) 4(1.905,-2.505) 5(1.905,2.505) 6(0.635,2.505) 7(-0.635,2.505) 8(-1.905,2.505)
  body extent -2.45,-3 2.45,3, height 1.75
SOIC127P790X220-8N [mm]
  rect 0.6x1.61 smd: 1(-1.905,-3.605) 2(-0.635,-3.605) 3(0.635,-3.605) 4(1.905,-3.605) 5(1.905,3.605) 6(0.635,3.605) 7(-0.635,3.605) 8(-1.905,3.605)
  silkscreen extent -2.75,-4.35 2.75,2.75, body extent -2.63,-3.95 2.63,3.95, height 2.2
SON9P50_200X300X60L45X25T160X20N [mm]
  rrect52% 0.27x0.79 smd: 1(-0.75,-1.37) 2(-0.25,-1.37) 3(0.25,-1.37) 4(0.75,-1.37) 5(0.75,1.37) 6(0.25,1.37) 7(-0.25,1.37) 8(-0.75,1.37)
  rect 1.6x0.2 smd: 9(0,0)
  silkscreen extent -1.06,-2.11 1.06,1.55, body extent -1,-1.55 1,1.55, height 0.6
SOP30P50_780X640X120L62X20N [mm] "Small Outline Pkg (SOP), 0.50 mm pitch; 30 pin, 7.80 mm L X 4.40 mm W X 1.20 mm H body"
  rrect50% 0.28x1.23 smd: 1(-3.5,-2.82) 2(-3,-2.82) 3(-2.5,-2.82) 4(-2,-2.82) 5(-1.5,-2.82) 6(-1,-2.82) 7(-0.5,-2.82) 8(0,-2.82) 9(0.5,-2.82) 10(1,-2.82) 11(1.5,-2.82) 12(2,-2.82) 13(2.5,-2.82) 14(3,-2.82) 15(3.5,-2.82) 16(3.5,2.82) 17(3,2.82) 18(2.5,2.82) 19(2,2.82) 20(1.5,2.82) 21(1,2.82) 22(0.5,2.82) 23(0,2.82) 24(-0.5,2.82) 25(-1,2.82) 26(-1.5,2.82) 27(-2,2.82) 28(-2.5,2.82) 29(-3,2.82) 30(-3.5,2.82)
  silkscreen extent -3.93,-3.78 3.93,2.25, body extent -3.9,-3.2 3.9,3.2, height 1.2
SOP50P310X100-8N [mm]
  rect 0.33x0.95 smd: 1(-0.75,-1.49) 2(-0.25,-1.49) 3(0.25,-1.49) 4(0.75,-1.49) 5(0.75,1.49) 6(0.25,1.49) 7(-0.25,1.49) 8(-0.75,1.49)
  silkscreen extent -1.09,-1.91 1.09,1.2, body extent -1,-1.55 1,1.55, height 1
SOP50P490X110-10N [mm]
  rect 0.33x1.52 smd: 1(-1,-2.105) 2(-0.5,-2.105) 3(0,-2.105) 4(0.5,-2.105) 5(1,-2.105) 6(1,2.105) 7(0.5,2.105) 8(0,2.105) 9(-0.5,2.105) 10(-1,2.105)
  silkscreen extent -1.55,-2.81 1.55,1.55, body extent -1.5,-2.45 1.5,2.45, height 1.1
SOP65P490X110-8N [mm]
  rect 0.48x1.52 smd: 1(-0.975,-2.105) 2(-0.325,-2.105) 3(0.325,-2.105) 4(0.975,-2.105) 5(0.975,2.105) 6(0.325,2.105) 7(-0.325,2.105) 8(-0.975,2.105)
  silkscreen extent -1.55,-2.81 1.55,1.55, body extent -1.5,-2.45 1.5,2.45, height 1.1
SOP65P640X120-28N [mm]
  rect 0.41x1.56 smd: 1(-4.225,-2.88) 2(-3.575,-2.88) 3(-2.925,-2.88) 4(-2.275,-2.88) 5(-1.625,-2.88) 6(-0.975,-2.88) 7(-0.325,-2.88) 8(0.325,-2.88) 9(0.975,-2.88) 10(1.625,-2.88) 11(2.275,-2.88) 12(2.925,-2.88) 13(3.575,-2.88) 14(4.225,-2.88) 15(4.225,2.88) 16(3.575,2.88) 17(2.925,2.88) 18(2.275,2.88) 19(1.625,2.88) 20(0.975,2.88) 21(0.325,2.88) 22(-0.325,2.88) 23(-0.975,2.88) 24(-1.625,2.88) 25(-2.275,2.88) 26(-2.925,2.88) 27(-3.575,2.88) 28(-4.225,2.88)
  silkscreen extent -4.9,-3.6 4.9,2.25, body extent -4.85,-2.2 4.85,2.2, height 1.1
SOT23-5P95_275X110L40X37N [mm]
  rrect50% 0.6x1.17 smd: 1(-0.95,-1.12) 2(0,-1.12) 3(0.95,-1.12) 4(0.95,1.12) 5(-0.95,1.12)
  silkscreen extent -1.58,-1.58 1.58,0.83, body extent -1.5,-1.37 1.5,1.38, height 1.1
SOT65P210X110-6N#1 [mm]
  rect 0.4x1.09 smd: 1(-0.65,-0.965) 2(0,-0.965) 3(0.65,-0.965) 4(0.65,0.965) 5(0,0.965) 6(-0.65,0.965)
  silkscreen extent -1.1,-1.45 1.1,0.68, body extent -1,-1.05 1,1.05, height 1.1
SOT65P210X110-6N#2 [mm]
  rrect50% 0.4x1.09 smd: 1(-0.65,-0.965) 2(0,-0.965) 3(0.65,-0.965) 4(0.65,0.965) 5(0,0.965) 6(-0.65,0.965)
  silkscreen extent -1.1,-1.45 1.1,0.68, body extent -1,-1.05 1,1.05, height 1.1
SOT95P235X115-3N [mm]
  rect 0.59x1.28 smd: 1(-0.95,-1.015) 2(0.95,-1.015) 3(0,1.015)
  silkscreen extent -1.5,-1.6 1.5,0.7, body extent -1.45,-1.17 1.45,1.17, height 1.15